# Altium PCB PCB1.PcbDoc (part 1 of 2)
Units mm, origin at the board's own origin, x right, y up, seen from the top; angles counter-clockwise.
Board outline 228.6 x 96.01 mm, 2 copper layers (Top Layer, Bottom Layer); 140 components, 87 nets, 531 pads, 47 vias.
Unrouted connection lines stored in the file: 27.
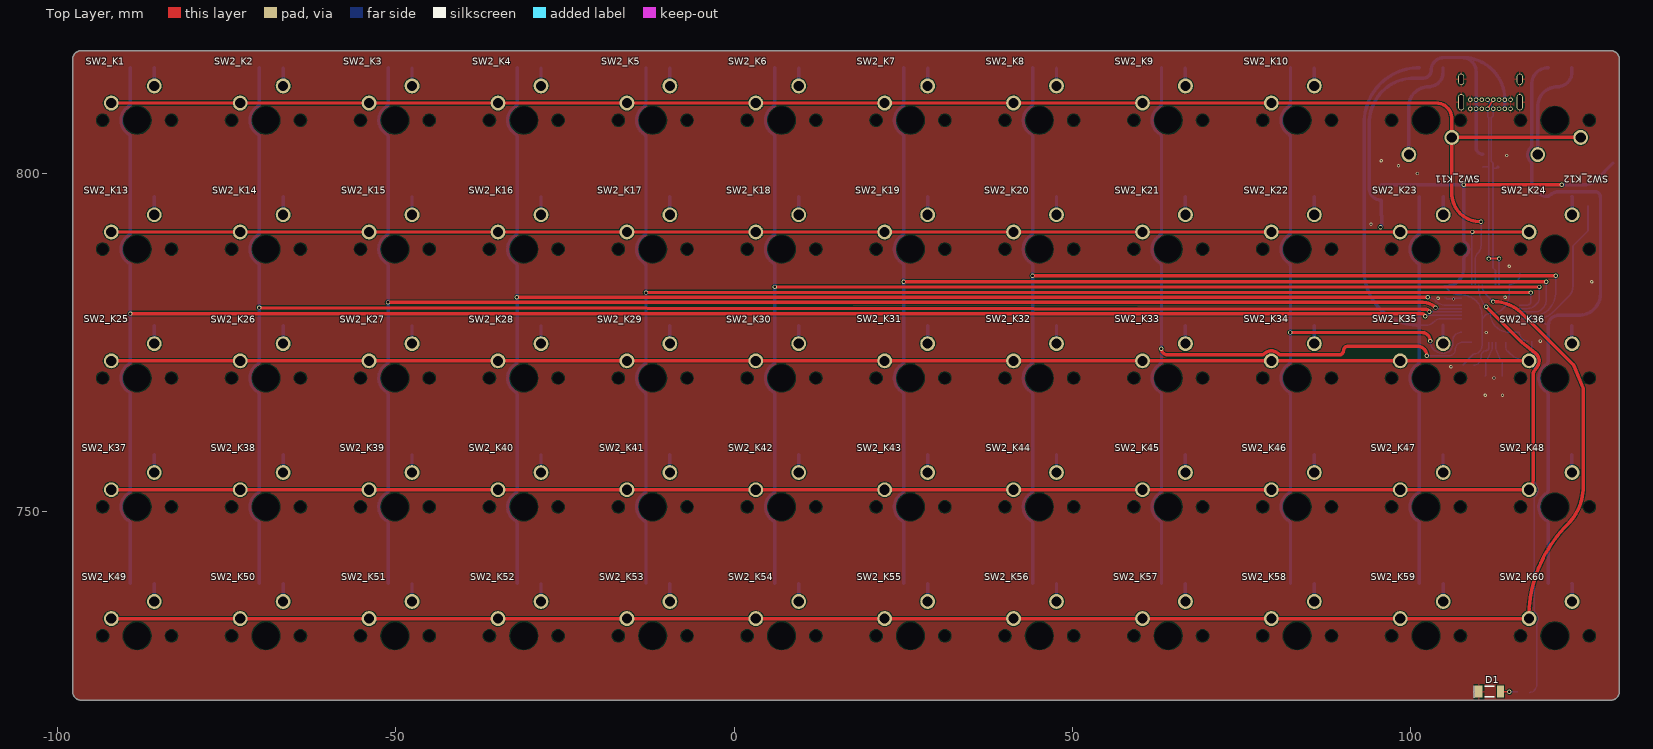
[diagram p0: Top Layer view]
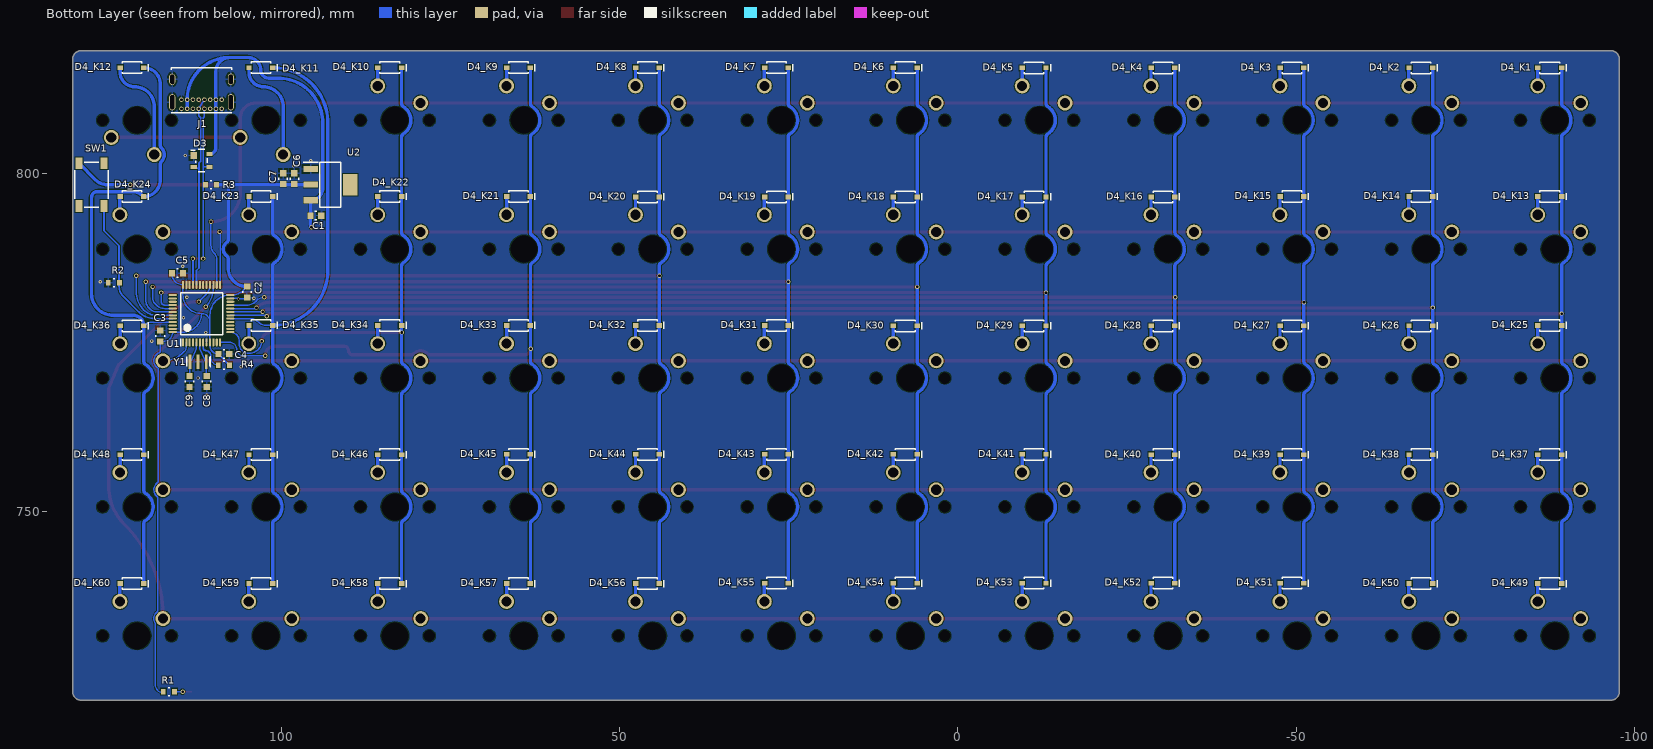
[diagram p1: Bottom Layer view, seen from below]
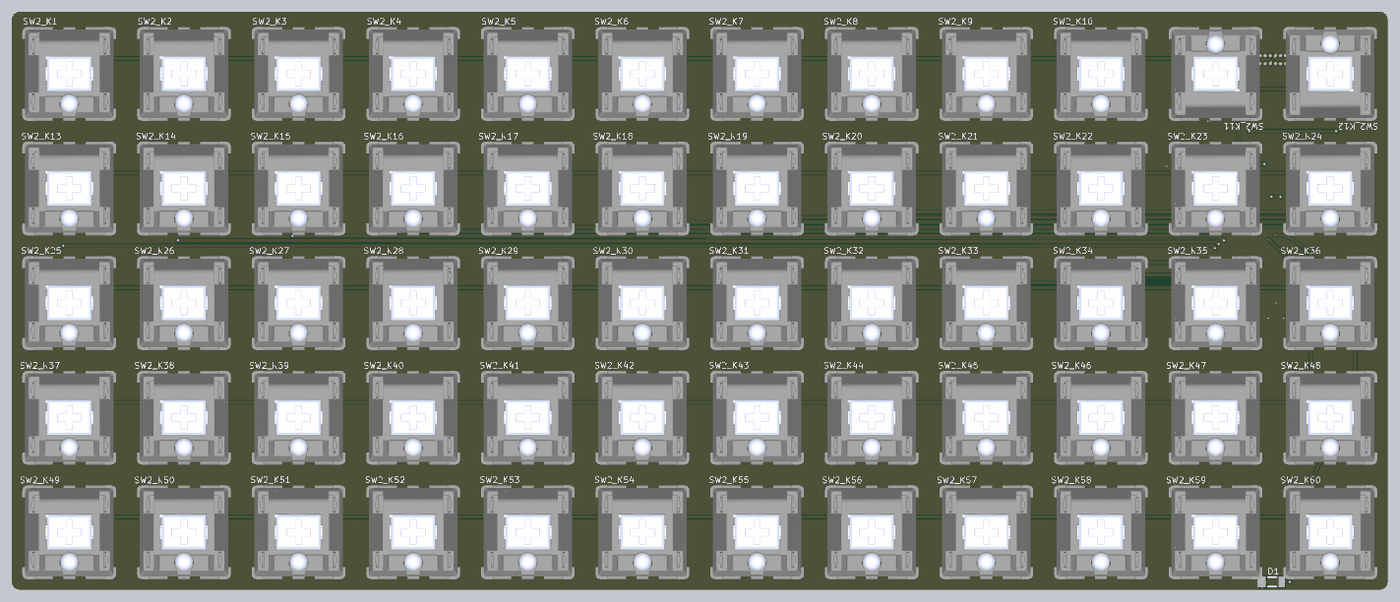
[diagram p3: 3D render of the assembled board from above, using the file's embedded part models]

## Layer stack, top to bottom
Top Solder: solder mask 0.0102, Solder Resist, Dk 3.5
Top Layer: signal copper 0.0356
Dielectric 1: dielectric 0.32, FR-4, Dk 4.8
Bottom Layer: signal copper 0.0356
Bottom Solder: solder mask 0.0102, Solder Resist, Dk 3.5

## Board outline
-96.52,722.122 cw(c-96.52,723.392) -97.79,723.392 -97.79,816.864 cw(c-96.52,816.864) -96.52,818.134 129.54,818.134 cw(c129.54,816.864) 130.81,816.864 130.81,723.392 cw(c129.54,723.392) 129.54,722.122

## Design rules (kind name [scope] priority, off if disabled: settings)
Clearance [All] p1: gap=0.127 ignorepadtopadclearanceinfootprint=FALSE
DiffPairsRouting [All] p1: maxlimit=0.254 minlimit=0.127 mostfreqgap=0.254 toplayer_minwidth=0.127 toplayer_maxwidth=0.381 toplayer_prefwidth=0.254 bottomlayer_minwidth=0.127 bottomlayer_maxwidth=0.381 bottomlayer_prefwidth=0.254 maxuncoupledlength=12.7
HoleSize [All] p1: absolutevalues=TRUE maxlimit=100 minlimit=0.025 maxpercent=80.000 minpercent=20.000
PlaneConnect PlaneConnect_Via [IsVia] p1: planeconnectstyle=Direct reliefexpansion=0.508 reliefentries=4 reliefconductorwidth=0.254 reliefairgap=0.254
PlaneConnect [All] p2: planeconnectstyle=Relief reliefexpansion=0.508 reliefentries=4 reliefconductorwidth=0.254 reliefairgap=0.254
PolygonConnect PolygonConnect_via [IsVia] p1: connectstyle=Direct reliefconductorwidth=0.254 reliefentries=4 polygonreliefangle="90 Angle" airgapwidth=0.254
PolygonConnect [All] p2: connectstyle=Relief reliefconductorwidth=0.254 reliefentries=4 polygonreliefangle="90 Angle" airgapwidth=0.254
RoomDefinition K60 [InComponentClass('K60')] p1: confinementstyle=ConfineIn formatcopy=TRUE lockcomponents=FALSE outline 111.76,722.122 130.81,722.122 130.81,741.172 111.76,741.172
RoomDefinition K59 [InComponentClass('K59')] p2: confinementstyle=ConfineIn formatcopy=TRUE lockcomponents=FALSE outline 92.71,722.122 111.76,722.122 111.76,741.172 92.71,741.172
RoomDefinition K58 [InComponentClass('K58')] p3: confinementstyle=ConfineIn formatcopy=TRUE lockcomponents=FALSE outline 73.66,722.122 92.71,722.122 92.71,741.172 73.66,741.172
RoomDefinition K57 [InComponentClass('K57')] p4: confinementstyle=ConfineIn formatcopy=TRUE lockcomponents=FALSE outline 54.61,722.122 73.66,722.122 73.66,741.172 54.61,741.172
RoomDefinition K56 [InComponentClass('K56')] p5: confinementstyle=ConfineIn formatcopy=TRUE lockcomponents=FALSE outline 35.56,722.122 54.61,722.122 54.61,741.172 35.56,741.172
RoomDefinition K55 [InComponentClass('K55')] p6: confinementstyle=ConfineIn formatcopy=TRUE lockcomponents=FALSE outline 16.51,722.122 35.56,722.122 35.56,741.172 16.51,741.172
RoomDefinition K54 [InComponentClass('K54')] p7: confinementstyle=ConfineIn formatcopy=TRUE lockcomponents=FALSE outline -2.54,722.122 16.51,722.122 16.51,741.172 -2.54,741.172
RoomDefinition K53 [InComponentClass('K53')] p8: confinementstyle=ConfineIn formatcopy=TRUE lockcomponents=FALSE outline -21.59,722.122 -2.54,722.122 -2.54,741.172 -21.59,741.172
RoomDefinition K52 [InComponentClass('K52')] p9: confinementstyle=ConfineIn formatcopy=TRUE lockcomponents=FALSE outline -40.64,722.122 -21.59,722.122 -21.59,741.172 -40.64,741.172
RoomDefinition K51 [InComponentClass('K51')] p10: confinementstyle=ConfineIn formatcopy=TRUE lockcomponents=FALSE outline -59.69,722.122 -40.64,722.122 -40.64,741.172 -59.69,741.172
RoomDefinition K50 [InComponentClass('K50')] p11: confinementstyle=ConfineIn formatcopy=TRUE lockcomponents=FALSE outline -78.74,722.122 -59.69,722.122 -59.69,741.172 -78.74,741.172
RoomDefinition K49 [InComponentClass('K49')] p12: confinementstyle=ConfineIn formatcopy=TRUE lockcomponents=FALSE outline -97.79,722.122 -78.74,722.122 -78.74,741.172 -97.79,741.172
RoomDefinition K48 [InComponentClass('K48')] p13: confinementstyle=ConfineIn formatcopy=TRUE lockcomponents=FALSE outline 111.76,741.172 130.81,741.172 130.81,760.222 111.76,760.222
RoomDefinition K47 [InComponentClass('K47')] p14: confinementstyle=ConfineIn formatcopy=TRUE lockcomponents=FALSE outline 92.71,741.172 111.76,741.172 111.76,760.222 92.71,760.222
RoomDefinition K46 [InComponentClass('K46')] p15: confinementstyle=ConfineIn formatcopy=TRUE lockcomponents=FALSE outline 73.66,741.172 92.71,741.172 92.71,760.222 73.66,760.222
RoomDefinition K45 [InComponentClass('K45')] p16: confinementstyle=ConfineIn formatcopy=TRUE lockcomponents=FALSE outline 54.61,741.172 73.66,741.172 73.66,760.222 54.61,760.222
RoomDefinition K44 [InComponentClass('K44')] p17: confinementstyle=ConfineIn formatcopy=TRUE lockcomponents=FALSE outline 35.56,741.172 54.61,741.172 54.61,760.222 35.56,760.222
RoomDefinition K43 [InComponentClass('K43')] p18: confinementstyle=ConfineIn formatcopy=TRUE lockcomponents=FALSE outline 16.51,741.172 35.56,741.172 35.56,760.222 16.51,760.222
RoomDefinition K42 [InComponentClass('K42')] p19: confinementstyle=ConfineIn formatcopy=TRUE lockcomponents=FALSE outline -2.54,741.172 16.51,741.172 16.51,760.222 -2.54,760.222
RoomDefinition K41 [InComponentClass('K41')] p20: confinementstyle=ConfineIn formatcopy=TRUE lockcomponents=FALSE outline -21.59,741.172 -2.54,741.172 -2.54,760.222 -21.59,760.222
RoomDefinition K40 [InComponentClass('K40')] p21: confinementstyle=ConfineIn formatcopy=TRUE lockcomponents=FALSE outline -40.64,741.172 -21.59,741.172 -21.59,760.222 -40.64,760.222
RoomDefinition K39 [InComponentClass('K39')] p22: confinementstyle=ConfineIn formatcopy=TRUE lockcomponents=FALSE outline -59.69,741.172 -40.64,741.172 -40.64,760.222 -59.69,760.222
RoomDefinition K38 [InComponentClass('K38')] p23: confinementstyle=ConfineIn formatcopy=TRUE lockcomponents=FALSE outline -78.74,741.172 -59.69,741.172 -59.69,760.222 -78.74,760.222
RoomDefinition K37 [InComponentClass('K37')] p24: confinementstyle=ConfineIn formatcopy=TRUE lockcomponents=FALSE outline -97.79,741.172 -78.74,741.172 -78.74,760.222 -97.79,760.222
RoomDefinition K36 [InComponentClass('K36')] p25: confinementstyle=ConfineIn formatcopy=TRUE lockcomponents=FALSE outline 111.76,760.222 130.81,760.222 130.81,779.272 111.76,779.272
RoomDefinition K35 [InComponentClass('K35')] p26: confinementstyle=ConfineIn formatcopy=TRUE lockcomponents=FALSE outline 92.71,760.222 111.76,760.222 111.76,779.272 92.71,779.272
RoomDefinition K34 [InComponentClass('K34')] p27: confinementstyle=ConfineIn formatcopy=TRUE lockcomponents=FALSE outline 73.66,760.222 92.71,760.222 92.71,779.272 73.66,779.272
RoomDefinition K33 [InComponentClass('K33')] p28: confinementstyle=ConfineIn formatcopy=TRUE lockcomponents=FALSE outline 54.61,760.222 73.66,760.222 73.66,779.272 54.61,779.272
RoomDefinition K32 [InComponentClass('K32')] p29: confinementstyle=ConfineIn formatcopy=TRUE lockcomponents=FALSE outline 35.56,760.222 54.61,760.222 54.61,779.272 35.56,779.272
RoomDefinition K31 [InComponentClass('K31')] p30: confinementstyle=ConfineIn formatcopy=TRUE lockcomponents=FALSE outline 16.51,760.222 35.56,760.222 35.56,779.272 16.51,779.272
RoomDefinition K30 [InComponentClass('K30')] p31: confinementstyle=ConfineIn formatcopy=TRUE lockcomponents=FALSE outline -2.54,760.222 16.51,760.222 16.51,779.272 -2.54,779.272
RoomDefinition K29 [InComponentClass('K29')] p32: confinementstyle=ConfineIn formatcopy=TRUE lockcomponents=FALSE outline -21.59,760.222 -2.54,760.222 -2.54,779.272 -21.59,779.272
RoomDefinition K28 [InComponentClass('K28')] p33: confinementstyle=ConfineIn formatcopy=TRUE lockcomponents=FALSE outline -40.64,760.222 -21.59,760.222 -21.59,779.272 -40.64,779.272
RoomDefinition K27 [InComponentClass('K27')] p34: confinementstyle=ConfineIn formatcopy=TRUE lockcomponents=FALSE outline -59.69,760.222 -40.64,760.222 -40.64,779.272 -59.69,779.272
RoomDefinition K26 [InComponentClass('K26')] p35: confinementstyle=ConfineIn formatcopy=TRUE lockcomponents=FALSE outline -78.74,760.222 -59.69,760.222 -59.69,779.272 -78.74,779.272
RoomDefinition K25 [InComponentClass('K25')] p36: confinementstyle=ConfineIn formatcopy=TRUE lockcomponents=FALSE outline -97.79,760.222 -78.74,760.222 -78.74,779.272 -97.79,779.272
RoomDefinition K24 [InComponentClass('K24')] p37: confinementstyle=ConfineIn formatcopy=TRUE lockcomponents=FALSE outline 111.76,779.272 130.81,779.272 130.81,798.322 111.76,798.322
RoomDefinition K23 [InComponentClass('K23')] p38: confinementstyle=ConfineIn formatcopy=TRUE lockcomponents=FALSE outline 92.71,779.272 111.76,779.272 111.76,798.322 92.71,798.322
RoomDefinition K22 [InComponentClass('K22')] p39: confinementstyle=ConfineIn formatcopy=TRUE lockcomponents=FALSE outline 73.66,779.272 92.71,779.272 92.71,798.322 73.66,798.322
RoomDefinition K21 [InComponentClass('K21')] p40: confinementstyle=ConfineIn formatcopy=TRUE lockcomponents=FALSE outline 54.61,779.272 73.66,779.272 73.66,798.322 54.61,798.322
RoomDefinition K20 [InComponentClass('K20')] p41: confinementstyle=ConfineIn formatcopy=TRUE lockcomponents=FALSE outline 35.56,779.272 54.61,779.272 54.61,798.322 35.56,798.322
RoomDefinition K19 [InComponentClass('K19')] p42: confinementstyle=ConfineIn formatcopy=TRUE lockcomponents=FALSE outline 16.51,779.272 35.56,779.272 35.56,798.322 16.51,798.322
RoomDefinition K18 [InComponentClass('K18')] p43: confinementstyle=ConfineIn formatcopy=TRUE lockcomponents=FALSE outline -2.54,779.272 16.51,779.272 16.51,798.322 -2.54,798.322
RoomDefinition K17 [InComponentClass('K17')] p44: confinementstyle=ConfineIn formatcopy=TRUE lockcomponents=FALSE outline -21.59,779.272 -2.54,779.272 -2.54,798.322 -21.59,798.322
RoomDefinition K16 [InComponentClass('K16')] p45: confinementstyle=ConfineIn formatcopy=TRUE lockcomponents=FALSE outline -40.64,779.272 -21.59,779.272 -21.59,798.322 -40.64,798.322
RoomDefinition K15 [InComponentClass('K15')] p46: confinementstyle=ConfineIn formatcopy=TRUE lockcomponents=FALSE outline -59.69,779.272 -40.64,779.272 -40.64,798.322 -59.69,798.322
RoomDefinition K14 [InComponentClass('K14')] p47: confinementstyle=ConfineIn formatcopy=TRUE lockcomponents=FALSE outline -78.74,779.272 -59.69,779.272 -59.69,798.322 -78.74,798.322
RoomDefinition K13 [InComponentClass('K13')] p48: confinementstyle=ConfineIn formatcopy=TRUE lockcomponents=FALSE outline -97.79,779.272 -78.74,779.272 -78.74,798.322 -97.79,798.322
RoomDefinition K12 [InComponentClass('K12')] p49: confinementstyle=ConfineIn formatcopy=TRUE lockcomponents=FALSE outline 111.76,798.322 130.81,798.322 130.81,817.372 111.76,817.372
RoomDefinition K11 [InComponentClass('K11')] p50: confinementstyle=ConfineIn formatcopy=TRUE lockcomponents=FALSE outline 92.71,798.322 111.76,798.322 111.76,817.372 92.71,817.372
RoomDefinition K10 [InComponentClass('K10')] p51: confinementstyle=ConfineIn formatcopy=TRUE lockcomponents=FALSE outline 73.66,798.322 92.71,798.322 92.71,817.372 73.66,817.372
RoomDefinition K9 [InComponentClass('K9')] p52: confinementstyle=ConfineIn formatcopy=TRUE lockcomponents=FALSE outline 54.61,798.322 73.66,798.322 73.66,817.372 54.61,817.372
RoomDefinition K8 [InComponentClass('K8')] p53: confinementstyle=ConfineIn formatcopy=TRUE lockcomponents=FALSE outline 35.56,798.322 54.61,798.322 54.61,817.372 35.56,817.372
RoomDefinition K7 [InComponentClass('K7')] p54: confinementstyle=ConfineIn formatcopy=TRUE lockcomponents=FALSE outline 16.51,798.322 35.56,798.322 35.56,817.372 16.51,817.372
RoomDefinition K6 [InComponentClass('K6')] p55: confinementstyle=ConfineIn formatcopy=TRUE lockcomponents=FALSE outline -2.54,798.322 16.51,798.322 16.51,817.372 -2.54,817.372
RoomDefinition K5 [InComponentClass('K5')] p56: confinementstyle=ConfineIn formatcopy=TRUE lockcomponents=FALSE outline -21.59,798.322 -2.54,798.322 -2.54,817.372 -21.59,817.372
RoomDefinition K4 [InComponentClass('K4')] p57: confinementstyle=ConfineIn formatcopy=TRUE lockcomponents=FALSE outline -40.64,798.322 -21.59,798.322 -21.59,817.372 -40.64,817.372
RoomDefinition K3 [InComponentClass('K3')] p58: confinementstyle=ConfineIn formatcopy=TRUE lockcomponents=FALSE outline -59.69,798.322 -40.64,798.322 -40.64,817.372 -59.69,817.372
RoomDefinition K2 [InComponentClass('K2')] p59: confinementstyle=ConfineIn formatcopy=TRUE lockcomponents=FALSE outline -78.74,798.322 -59.69,798.322 -59.69,817.372 -78.74,817.372
RoomDefinition K1 [InComponentClass('K1')] p60: confinementstyle=ConfineIn formatcopy=TRUE lockcomponents=FALSE outline -97.79,798.322 -78.74,798.322 -78.74,817.372 -97.79,817.372
RoutingVias [All] p1: holewidth=0.711 width=1.27 viastyle="Through Hole" minholewidth=0.711 minwidth=1.27 maxholewidth=0.711 maxwidth=1.27 useviatemplates=TRUE viatemplateguid#1={90B01569-E9FD-4315-B912-3E7FCE20F18E} viatemplatename#1=v64h38
SolderMaskExpansion [All] p1: expansion=0.102 istentingtop=FALSE
Width [All] p1: maxlimit=2.54 minlimit=0.127 preferedwidth=0.254
27 further rules are at their usual default settings.

## Classes and differential pairs
component class K60: D4_K60 SW2_K60
component class K59: D4_K59 SW2_K59
component class K58: D4_K58 SW2_K58
component class K57: D4_K57 SW2_K57
component class K56: D4_K56 SW2_K56
component class K50: D4_K50 SW2_K50
component class K49: D4_K49 SW2_K49
component class K48: D4_K48 SW2_K48
component class K47: D4_K47 SW2_K47
component class K46: D4_K46 SW2_K46
component class K40: D4_K40 SW2_K40
component class K39: D4_K39 SW2_K39
component class K38: D4_K38 SW2_K38
component class K37: D4_K37 SW2_K37
component class K36: D4_K36 SW2_K36
component class K30: D4_K30 SW2_K30
component class K29: D4_K29 SW2_K29
component class K28: D4_K28 SW2_K28
component class K27: D4_K27 SW2_K27
component class K26: D4_K26 SW2_K26
component class K20: D4_K20 SW2_K20
component class K19: D4_K19 SW2_K19
component class K18: D4_K18 SW2_K18
component class K17: D4_K17 SW2_K17
component class K16: D4_K16 SW2_K16
component class K5: D4_K5 SW2_K5
component class K4: D4_K4 SW2_K4
component class K3: D4_K3 SW2_K3
component class K2: D4_K2 SW2_K2
component class K1: D4_K1 SW2_K1
channel class key: K6 K7 K8 K9 K10 K11 K12 K13 K14 K15 K21 K22 K23 K24 K25 K31 K32 K33 K34 K35 K41 K42 K43 K44 K45 K51 K52 K53 K54 K55 K62 K63 K64 K65 K72 K73 K74 K75 K82 K83 K84 K85 K92 K93 K94 K95 K102 K103 K104 K105 K111 K112 K113 K114 K115 K121 K122 K123 K124 K125 K131 K132 K133 K134 K135 K141 K142 K143 K144 K145
component class Sheet1: C1 C2 C3 C4 C5 C6 C7 C8 C9 D1 D3 J1 R1 R2 R3 R4 SW1 U1 U2 Y1
component class K10: D4_K10 SW2_K10
component class K9: D4_K9 SW2_K9
component class K8: D4_K8 SW2_K8
component class K7: D4_K7 SW2_K7
component class K6: D4_K6 SW2_K6
component class K55: D4_K55 SW2_K55
component class K54: D4_K54 SW2_K54
component class K53: D4_K53 SW2_K53
component class K52: D4_K52 SW2_K52
component class K51: D4_K51 SW2_K51
component class K45: D4_K45 SW2_K45
component class K44: D4_K44 SW2_K44
component class K43: D4_K43 SW2_K43
component class K42: D4_K42 SW2_K42
component class K41: D4_K41 SW2_K41
component class K35: D4_K35 SW2_K35
component class K34: D4_K34 SW2_K34
component class K33: D4_K33 SW2_K33
component class K32: D4_K32 SW2_K32
component class K31: D4_K31 SW2_K31
component class K25: D4_K25 SW2_K25
component class K24: D4_K24 SW2_K24
component class K23: D4_K23 SW2_K23
component class K22: D4_K22 SW2_K22
component class K21: D4_K21 SW2_K21
component class K15: D4_K15 SW2_K15
component class K14: D4_K14 SW2_K14
component class K13: D4_K13 SW2_K13
component class K12: D4_K12 SW2_K12
component class K11: D4_K11 SW2_K11
differential pair USBD: +USBD_P -USBD_N

## Components (designator, comment, footprint, x,y, rotation, side; value= is the part's Value field where it differs from the comment)
C1 "Generic CAPC 0603 0.1µF 25V ±10% X7R" CAPC_0603(1.6X0.8)_N 94.869,793.75 r180 bottom value=0.1µF
C2 "Generic CAPC 0603 0.1µF 25V ±10% X7R" CAPC_0603(1.6X0.8)_N 105.029,782.447 r270 bottom value=0.1µF
C3 "Generic CAPC 0603 0.1µF 25V ±10% X7R" CAPC_0603(1.6X0.8)_N 117.856,775.97 r90 bottom value=0.1µF
C4 "Generic CAPC 0603 0.1µF 25V ±10% X7R" CAPC_0603(1.6X0.8)_N 108.458,773.303 r180 bottom value=0.1µF
C5 "Generic CAPC 0603 0.1µF 25V ±10% X7R" CAPC_0603(1.6X0.8)_N 115.316,785.241 r180 bottom value=0.1µF
C6 "Generic CAPC 0603 0.1µF 25V ±10% X7R" CAPC_0603(1.6X0.8)_N 98.044,799.211 r90 bottom value=0.1µF
C7 "Generic CAPC 0603 10µF 6.3V ±20% X5R" CAPC_0603(1.6X0.8)_N 99.695,799.211 r90 bottom value=10µF
C8 "Generic CAPC 0603 22pF 250V ±2% C0G/NP0" CAPC_0603(1.6X0.8)_N 110.998,769.239 r270 bottom value=22pF
C9 "Generic CAPC 0603 22pF 250V ±2% C0G/NP0" CAPC_0603(1.6X0.8)_N 113.538,769.239 r270 bottom value=22pF
D1 "LED 468NM BLUE CLEAR 1206 SMD" LTST-C150TBKT_N 111.633,723.392 r0 top
D3 "TVS DIODE 5.5VWM SOT143B" NXP_SOT143B_N 111.76,801.878 r180 bottom
D4_K1 "DIODE GEN PURP 100V 300MA SOD123" 1N4148W-7-F_N -87.503,815.594 r0 bottom (schematic designator D4)
D4_K2 "DIODE GEN PURP 100V 300MA SOD123" 1N4148W-7-F_N -68.453,815.594 r0 bottom (schematic designator D4)
D4_K3 "DIODE GEN PURP 100V 300MA SOD123" 1N4148W-7-F_N -49.403,815.594 r0 bottom (schematic designator D4)
D4_K4 "DIODE GEN PURP 100V 300MA SOD123" 1N4148W-7-F_N -30.353,815.594 r0 bottom (schematic designator D4)
D4_K5 "DIODE GEN PURP 100V 300MA SOD123" 1N4148W-7-F_N -11.303,815.594 r0 bottom (schematic designator D4)
D4_K6 "DIODE GEN PURP 100V 300MA SOD123" 1N4148W-7-F_N 7.747,815.622 r0 bottom (schematic designator D4)
D4_K7 "DIODE GEN PURP 100V 300MA SOD123" 1N4148W-7-F_N 26.797,815.622 r0 bottom (schematic designator D4)
D4_K8 "DIODE GEN PURP 100V 300MA SOD123" 1N4148W-7-F_N 45.847,815.622 r0 bottom (schematic designator D4)
D4_K9 "DIODE GEN PURP 100V 300MA SOD123" 1N4148W-7-F_N 64.897,815.622 r0 bottom (schematic designator D4)
D4_K10 "DIODE GEN PURP 100V 300MA SOD123" 1N4148W-7-F_N 83.947,815.622 r0 bottom (schematic designator D4)
D4_K11 "DIODE GEN PURP 100V 300MA SOD123" 1N4148W-7-F_N 102.997,815.622 r0 bottom (schematic designator D4)
D4_K12 "DIODE GEN PURP 100V 300MA SOD123" 1N4148W-7-F_N 122.047,815.622 r0 bottom (schematic designator D4)
D4_K13 "DIODE GEN PURP 100V 300MA SOD123" 1N4148W-7-F_N -87.503,796.572 r0 bottom (schematic designator D4)
D4_K14 "DIODE GEN PURP 100V 300MA SOD123" 1N4148W-7-F_N -68.453,796.572 r0 bottom (schematic designator D4)
D4_K15 "DIODE GEN PURP 100V 300MA SOD123" 1N4148W-7-F_N -49.403,796.572 r0 bottom (schematic designator D4)
D4_K16 "DIODE GEN PURP 100V 300MA SOD123" 1N4148W-7-F_N -30.353,796.516 r0 bottom (schematic designator D4)
D4_K17 "DIODE GEN PURP 100V 300MA SOD123" 1N4148W-7-F_N -11.303,796.516 r0 bottom (schematic designator D4)
D4_K18 "DIODE GEN PURP 100V 300MA SOD123" 1N4148W-7-F_N 7.747,796.516 r0 bottom (schematic designator D4)
D4_K19 "DIODE GEN PURP 100V 300MA SOD123" 1N4148W-7-F_N 26.797,796.516 r0 bottom (schematic designator D4)
D4_K20 "DIODE GEN PURP 100V 300MA SOD123" 1N4148W-7-F_N 45.847,796.516 r0 bottom (schematic designator D4)
D4_K21 "DIODE GEN PURP 100V 300MA SOD123" 1N4148W-7-F_N 64.897,796.572 r0 bottom (schematic designator D4)
D4_K22 "DIODE GEN PURP 100V 300MA SOD123" 1N4148W-7-F_N 83.947,796.572 r0 bottom (schematic designator D4)
D4_K23 "DIODE GEN PURP 100V 300MA SOD123" 1N4148W-7-F_N 102.997,796.572 r0 bottom (schematic designator D4)
D4_K24 "DIODE GEN PURP 100V 300MA SOD123" 1N4148W-7-F_N 122.047,796.572 r0 bottom (schematic designator D4)
D4_K25 "DIODE GEN PURP 100V 300MA SOD123" 1N4148W-7-F_N -87.503,777.522 r0 bottom (schematic designator D4)
D4_K26 "DIODE GEN PURP 100V 300MA SOD123" 1N4148W-7-F_N -68.453,777.466 r0 bottom (schematic designator D4)
D4_K27 "DIODE GEN PURP 100V 300MA SOD123" 1N4148W-7-F_N -49.403,777.466 r0 bottom (schematic designator D4)
D4_K28 "DIODE GEN PURP 100V 300MA SOD123" 1N4148W-7-F_N -30.353,777.466 r0 bottom (schematic designator D4)
D4_K29 "DIODE GEN PURP 100V 300MA SOD123" 1N4148W-7-F_N -11.303,777.466 r0 bottom (schematic designator D4)
D4_K30 "DIODE GEN PURP 100V 300MA SOD123" 1N4148W-7-F_N 7.747,777.466 r0 bottom (schematic designator D4)
D4_K31 "DIODE GEN PURP 100V 300MA SOD123" 1N4148W-7-F_N 26.797,777.522 r0 bottom (schematic designator D4)
D4_K32 "DIODE GEN PURP 100V 300MA SOD123" 1N4148W-7-F_N 45.847,777.522 r0 bottom (schematic designator D4)
D4_K33 "DIODE GEN PURP 100V 300MA SOD123" 1N4148W-7-F_N 64.897,777.522 r0 bottom (schematic designator D4)
D4_K34 "DIODE GEN PURP 100V 300MA SOD123" 1N4148W-7-F_N 83.947,777.522 r0 bottom (schematic designator D4)
D4_K35 "DIODE GEN PURP 100V 300MA SOD123" 1N4148W-7-F_N 102.997,777.522 r0 bottom (schematic designator D4)
D4_K36 "DIODE GEN PURP 100V 300MA SOD123" 1N4148W-7-F_N 122.047,777.466 r0 bottom (schematic designator D4)
D4_K37 "DIODE GEN PURP 100V 300MA SOD123" 1N4148W-7-F_N -87.503,758.416 r0 bottom (schematic designator D4)
D4_K38 "DIODE GEN PURP 100V 300MA SOD123" 1N4148W-7-F_N -68.453,758.416 r0 bottom (schematic designator D4)
D4_K39 "DIODE GEN PURP 100V 300MA SOD123" 1N4148W-7-F_N -49.403,758.416 r0 bottom (schematic designator D4)
D4_K40 "DIODE GEN PURP 100V 300MA SOD123" 1N4148W-7-F_N -30.353,758.416 r0 bottom (schematic designator D4)
D4_K41 "DIODE GEN PURP 100V 300MA SOD123" 1N4148W-7-F_N -11.303,758.472 r0 bottom (schematic designator D4)
D4_K42 "DIODE GEN PURP 100V 300MA SOD123" 1N4148W-7-F_N 7.747,758.472 r0 bottom (schematic designator D4)
D4_K43 "DIODE GEN PURP 100V 300MA SOD123" 1N4148W-7-F_N 26.797,758.472 r0 bottom (schematic designator D4)
D4_K44 "DIODE GEN PURP 100V 300MA SOD123" 1N4148W-7-F_N 45.847,758.472 r0 bottom (schematic designator D4)
D4_K45 "DIODE GEN PURP 100V 300MA SOD123" 1N4148W-7-F_N 64.897,758.472 r0 bottom (schematic designator D4)
D4_K46 "DIODE GEN PURP 100V 300MA SOD123" 1N4148W-7-F_N 83.947,758.416 r0 bottom (schematic designator D4)
D4_K47 "DIODE GEN PURP 100V 300MA SOD123" 1N4148W-7-F_N 102.997,758.416 r0 bottom (schematic designator D4)
D4_K48 "DIODE GEN PURP 100V 300MA SOD123" 1N4148W-7-F_N 122.047,758.416 r0 bottom (schematic designator D4)
D4_K49 "DIODE GEN PURP 100V 300MA SOD123" 1N4148W-7-F_N -87.503,739.366 r0 bottom (schematic designator D4)
D4_K50 "DIODE GEN PURP 100V 300MA SOD123" 1N4148W-7-F_N -68.453,739.366 r0 bottom (schematic designator D4)
D4_K51 "DIODE GEN PURP 100V 300MA SOD123" 1N4148W-7-F_N -49.403,739.422 r0 bottom (schematic designator D4)
D4_K52 "DIODE GEN PURP 100V 300MA SOD123" 1N4148W-7-F_N -30.353,739.422 r0 bottom (schematic designator D4)
D4_K53 "DIODE GEN PURP 100V 300MA SOD123" 1N4148W-7-F_N -11.303,739.422 r0 bottom (schematic designator D4)
D4_K54 "DIODE GEN PURP 100V 300MA SOD123" 1N4148W-7-F_N 7.747,739.422 r0 bottom (schematic designator D4)
D4_K55 "DIODE GEN PURP 100V 300MA SOD123" 1N4148W-7-F_N 26.797,739.422 r0 bottom (schematic designator D4)
D4_K56 "DIODE GEN PURP 100V 300MA SOD123" 1N4148W-7-F_N 45.847,739.366 r0 bottom (schematic designator D4)
D4_K57 "DIODE GEN PURP 100V 300MA SOD123" 1N4148W-7-F_N 64.897,739.366 r0 bottom (schematic designator D4)
D4_K58 "DIODE GEN PURP 100V 300MA SOD123" 1N4148W-7-F_N 83.947,739.366 r0 bottom (schematic designator D4)
D4_K59 "DIODE GEN PURP 100V 300MA SOD123" 1N4148W-7-F_N 102.997,739.366 r0 bottom (schematic designator D4)
D4_K60 "DIODE GEN PURP 100V 300MA SOD123" 1N4148W-7-F_N 122.047,739.366 r0 bottom (schematic designator D4)
J1 "USB4085-GF-A" GCT_USB4085-GF-A_MN 111.76,813.562 r0 bottom
R1 "Generic RES 0603 470 0.1W 5%" RESC_0603(1.6X0.8)_N 116.586,723.392 r0 bottom value=470
R2 "Generic RES 0603 10K 0.1W 5%" RESC_0603(1.6X0.8)_N 124.714,783.844 r180 bottom value=10K
R3 "Generic RES 0603 1.5K 0.1W 5%" RESC_0603(1.6X0.8)_N 110.363,798.322 r180 bottom value=1.5K
R4 "Generic RES 0603 10K 0.1W 5%" RESC_0603(1.6X0.8)_N 108.458,771.652 r180 bottom value=10K
SW1 "SWITCH TACTILE SPST-NO 0.05A 12V" TL3342F160QG-TR 128.016,798.322 r270 bottom
SW2_K1 "MX1A-E1NW" CHRY_MXXX-XXXW_No_LED_MA -88.265,807.847 r0 top (schematic designator SW2)
SW2_K2 "MX1A-E1NW" CHRY_MXXX-XXXW_No_LED_MA -69.215,807.847 r0 top (schematic designator SW2)
SW2_K3 "MX1A-E1NW" CHRY_MXXX-XXXW_No_LED_MA -50.165,807.847 r0 top (schematic designator SW2)
SW2_K4 "MX1A-E1NW" CHRY_MXXX-XXXW_No_LED_MA -31.115,807.847 r0 top (schematic designator SW2)
SW2_K5 "MX1A-E1NW" CHRY_MXXX-XXXW_No_LED_MA -12.065,807.847 r0 top (schematic designator SW2)
SW2_K6 "MX1A-E1NW" CHRY_MXXX-XXXW_No_LED_MA 6.985,807.847 r0 top (schematic designator SW2)
SW2_K7 "MX1A-E1NW" CHRY_MXXX-XXXW_No_LED_MA 26.035,807.847 r0 top (schematic designator SW2)
SW2_K8 "MX1A-E1NW" CHRY_MXXX-XXXW_No_LED_MA 45.085,807.847 r0 top (schematic designator SW2)
SW2_K9 "MX1A-E1NW" CHRY_MXXX-XXXW_No_LED_MA 64.135,807.847 r0 top (schematic designator SW2)
SW2_K10 "MX1A-E1NW" CHRY_MXXX-XXXW_No_LED_MA 83.185,807.847 r0 top (schematic designator SW2)
SW2_K11 "MX1A-E1NW" CHRY_MXXX-XXXW_No_LED_MA 102.235,807.847 r180 top (schematic designator SW2)
SW2_K12 "MX1A-E1NW" CHRY_MXXX-XXXW_No_LED_MA 121.285,807.847 r180 top (schematic designator SW2)
SW2_K13 "MX1A-E1NW" CHRY_MXXX-XXXW_No_LED_MA -88.265,788.797 r0 top (schematic designator SW2)
SW2_K14 "MX1A-E1NW" CHRY_MXXX-XXXW_No_LED_MA -69.215,788.797 r0 top (schematic designator SW2)
SW2_K15 "MX1A-E1NW" CHRY_MXXX-XXXW_No_LED_MA -50.165,788.797 r0 top (schematic designator SW2)
SW2_K16 "MX1A-E1NW" CHRY_MXXX-XXXW_No_LED_MA -31.115,788.797 r0 top (schematic designator SW2)
SW2_K17 "MX1A-E1NW" CHRY_MXXX-XXXW_No_LED_MA -12.065,788.797 r0 top (schematic designator SW2)
SW2_K18 "MX1A-E1NW" CHRY_MXXX-XXXW_No_LED_MA 6.985,788.797 r0 top (schematic designator SW2)
SW2_K19 "MX1A-E1NW" CHRY_MXXX-XXXW_No_LED_MA 26.035,788.797 r0 top (schematic designator SW2)
SW2_K20 "MX1A-E1NW" CHRY_MXXX-XXXW_No_LED_MA 45.085,788.797 r0 top (schematic designator SW2)
SW2_K21 "MX1A-E1NW" CHRY_MXXX-XXXW_No_LED_MA 64.135,788.797 r0 top (schematic designator SW2)
SW2_K22 "MX1A-E1NW" CHRY_MXXX-XXXW_No_LED_MA 83.185,788.797 r0 top (schematic designator SW2)
SW2_K23 "MX1A-E1NW" CHRY_MXXX-XXXW_No_LED_MA 102.235,788.797 r0 top (schematic designator SW2)
SW2_K24 "MX1A-E1NW" CHRY_MXXX-XXXW_No_LED_MA 121.285,788.797 r0 top (schematic designator SW2)
SW2_K25 "MX1A-E1NW" CHRY_MXXX-XXXW_No_LED_MA -88.265,769.747 r0 top (schematic designator SW2)
SW2_K26 "MX1A-E1NW" CHRY_MXXX-XXXW_No_LED_MA -69.215,769.747 r0 top (schematic designator SW2)
SW2_K27 "MX1A-E1NW" CHRY_MXXX-XXXW_No_LED_MA -50.165,769.747 r0 top (schematic designator SW2)
SW2_K28 "MX1A-E1NW" CHRY_MXXX-XXXW_No_LED_MA -31.115,769.747 r0 top (schematic designator SW2)
SW2_K29 "MX1A-E1NW" CHRY_MXXX-XXXW_No_LED_MA -12.065,769.747 r0 top (schematic designator SW2)
SW2_K30 "MX1A-E1NW" CHRY_MXXX-XXXW_No_LED_MA 6.985,769.747 r0 top (schematic designator SW2)
SW2_K31 "MX1A-E1NW" CHRY_MXXX-XXXW_No_LED_MA 26.035,769.747 r0 top (schematic designator SW2)
SW2_K32 "MX1A-E1NW" CHRY_MXXX-XXXW_No_LED_MA 45.085,769.747 r0 top (schematic designator SW2)
SW2_K33 "MX1A-E1NW" CHRY_MXXX-XXXW_No_LED_MA 64.135,769.747 r0 top (schematic designator SW2)
SW2_K34 "MX1A-E1NW" CHRY_MXXX-XXXW_No_LED_MA 83.185,769.747 r0 top (schematic designator SW2)
SW2_K35 "MX1A-E1NW" CHRY_MXXX-XXXW_No_LED_MA 102.235,769.747 r0 top (schematic designator SW2)
SW2_K36 "MX1A-E1NW" CHRY_MXXX-XXXW_No_LED_MA 121.285,769.747 r0 top (schematic designator SW2)
SW2_K37 "MX1A-E1NW" CHRY_MXXX-XXXW_No_LED_MA -88.265,750.697 r0 top (schematic designator SW2)
SW2_K38 "MX1A-E1NW" CHRY_MXXX-XXXW_No_LED_MA -69.215,750.697 r0 top (schematic designator SW2)
SW2_K39 "MX1A-E1NW" CHRY_MXXX-XXXW_No_LED_MA -50.165,750.697 r0 top (schematic designator SW2)
SW2_K40 "MX1A-E1NW" CHRY_MXXX-XXXW_No_LED_MA -31.115,750.697 r0 top (schematic designator SW2)
SW2_K41 "MX1A-E1NW" CHRY_MXXX-XXXW_No_LED_MA -12.065,750.697 r0 top (schematic designator SW2)
SW2_K42 "MX1A-E1NW" CHRY_MXXX-XXXW_No_LED_MA 6.985,750.697 r0 top (schematic designator SW2)
SW2_K43 "MX1A-E1NW" CHRY_MXXX-XXXW_No_LED_MA 26.035,750.697 r0 top (schematic designator SW2)
SW2_K44 "MX1A-E1NW" CHRY_MXXX-XXXW_No_LED_MA 45.085,750.697 r0 top (schematic designator SW2)
SW2_K45 "MX1A-E1NW" CHRY_MXXX-XXXW_No_LED_MA 64.135,750.697 r0 top (schematic designator SW2)
SW2_K46 "MX1A-E1NW" CHRY_MXXX-XXXW_No_LED_MA 83.185,750.697 r0 top (schematic designator SW2)
SW2_K47 "MX1A-E1NW" CHRY_MXXX-XXXW_No_LED_MA 102.235,750.697 r0 top (schematic designator SW2)
SW2_K48 "MX1A-E1NW" CHRY_MXXX-XXXW_No_LED_MA 121.285,750.697 r0 top (schematic designator SW2)
SW2_K49 "MX1A-E1NW" CHRY_MXXX-XXXW_No_LED_MA -88.265,731.647 r0 top (schematic designator SW2)
SW2_K50 "MX1A-E1NW" CHRY_MXXX-XXXW_No_LED_MA -69.215,731.647 r0 top (schematic designator SW2)
SW2_K51 "MX1A-E1NW" CHRY_MXXX-XXXW_No_LED_MA -50.165,731.647 r0 top (schematic designator SW2)
SW2_K52 "MX1A-E1NW" CHRY_MXXX-XXXW_No_LED_MA -31.115,731.647 r0 top (schematic designator SW2)
SW2_K53 "MX1A-E1NW" CHRY_MXXX-XXXW_No_LED_MA -12.065,731.647 r0 top (schematic designator SW2)
SW2_K54 "MX1A-E1NW" CHRY_MXXX-XXXW_No_LED_MA 6.985,731.647 r0 top (schematic designator SW2)
SW2_K55 "MX1A-E1NW" CHRY_MXXX-XXXW_No_LED_MA 26.035,731.647 r0 top (schematic designator SW2)
SW2_K56 "MX1A-E1NW" CHRY_MXXX-XXXW_No_LED_MA 45.085,731.647 r0 top (schematic designator SW2)
SW2_K57 "MX1A-E1NW" CHRY_MXXX-XXXW_No_LED_MA 64.135,731.647 r0 top (schematic designator SW2)
SW2_K58 "MX1A-E1NW" CHRY_MXXX-XXXW_No_LED_MA 83.185,731.647 r0 top (schematic designator SW2)
SW2_K59 "MX1A-E1NW" CHRY_MXXX-XXXW_No_LED_MA 102.235,731.647 r0 top (schematic designator SW2)
SW2_K60 "MX1A-E1NW" CHRY_MXXX-XXXW_No_LED_MA 121.285,731.647 r0 top (schematic designator SW2)
U1 "32BIT, CORTEX-M4, 72MHZ, LQFP-48" ST_LQFP-48-7x7x1.4_MN 111.76,779.272 r90 bottom
U2 "IC REG LDO 3.3V 0.8A SOT223" TI_DCY-R-PDSO-G4_N 92.71,798.322 r180 bottom
Y1 "CER RESONATOR 8.00MHZ SMD" CSTCE8M00G55-R0 111.068,772.16 r180 bottom

## Footprints (in the part's own frame and the unit in brackets; to place one, negate y for a bottom-side part, rotate by r counter-clockwise, add the part's x,y. Pads: shape width x height; smd on the part's side, far side on the other; paste and mask are expansions set on the pad)
1N4148W-7-F_N [mm] "SODFL, 2-Leads, Body 1.55x3.70mm, IPC Medium Density, Dimensions obtained from component datasheet"
  rect 0.8x0.7 smd: 1(-1.75,0) 2(1.75,0)
  silkscreen extent -2.41,-0.85 1.45,0.85, body extent -1.42,-0.85 1.43,0.85, height 1.45
CAPC_0603(1.6X0.8)_N [mm] "Chip Capacitor, 0603 (1.6X0.8mm), N density, Chip dimensions based on Vishay VJ Commercial series"
  rect 0.9x0.95 smd: 1(-0.8,0) 2(0.8,0)
  silkscreen extent -0.13,-0.64 0.13,0.64, body extent -0.8,-0.4 0.8,0.4, height 0.92
CHRY_MXXX-XXXW_No_LED_MA [mil]
  round 0 hole 67 unplated: 0(-200,0) 0(200,0)
  round 0 hole 157 unplated: 0(0,0)
  round 86.61 hole 59: 1(-150,100) 2(100,200)
  body extent -307,-307 307,307, height 611
CSTCE8M00G55-R0 [mm] "Footprint from manufacturer's recommendation"
  rect 0.4x2.1 smd: 1(0,0) 2(-1.2,0) 3(-2.4,0)
  silkscreen extent -2.9,-0.8 0.7,0.8, body extent -2.87,-0.72 0.47,0.72, height 0.8
GCT_USB4085-GF-A_MN [mm]
  round 0.65 hole 0.4: 1(-2.975,4.025) 2(-2.125,4.025) 3(-1.275,4.025) 4(-0.425,4.025) 5(0.425,4.025) 6(1.275,4.025) 7(2.125,4.025) 8(2.975,4.025) 9(-2.975,2.675) 10(-2.125,2.675) 11(-1.275,2.675) 12(-0.425,2.675) 13(0.425,2.675) 14(1.275,2.675) 15(2.125,2.675) 16(2.975,2.675)
  oval 0.9x2.4 hole 0.6 slot 2.1 at 90 deg: 17(-4.325,3.045) 18(4.325,3.045)
  oval 0.9x1.7 hole 0.6 slot 1.4 at 90 deg: 19(-4.325,-0.335) 20(4.325,-0.335)
  silkscreen extent -4.47,-2.07 4.47,4.58, body extent -4.51,-4.56 4.52,4.61, height 3.46
LTST-C150TBKT_N [mm] "Chip Diode, 2-Leads, Body 3.20x1.60mm, IPC Medium Density"
  rect 1.05x1.75 smd: 1(-1.6,0) 2(1.6,0)
  silkscreen extent -2.3,-0.9 0.7,0.9, body extent -1.55,-0.85 1.55,0.85, height 1.1
NXP_SOT143B_N [mm] "SOT143, 4-Leads, Body 2.90x2.30mm, Pitch 1.90mm, IPC Medium Density, body dimensions from package drawing"
  rect 0.9x1 smd: 1(-1.15,0.75)
  rect 0.9x0.6 smd: 2(-1.15,-0.95) 3(1.15,-0.95) 4(1.15,0.95)
  silkscreen extent -1.6,-1.65 0.85,1.65, body extent -1.15,-1.5 1.15,1.5, height 1.1
RESC_0603(1.6X0.8)_N [mm] "Chip Resistor, 0603 (1.6X0.8mm), N density, Chip dimensions based on Panasonic ERJ series"
  rect 0.7x0.85 smd: 1(-0.825,0) 2(0.825,0)
  silkscreen extent -0.1,-0.6 0.1,0.6, body extent -0.8,-0.4 0.8,0.4, height 0.55
ST_LQFP-48-7x7x1.4_MN [mm] "TSQFP, 48-Leads, Body 7.00x7.00mm, Pitch 0.50mm, IPC Medium Density, body and pad dimensions from datasheet"
  oval 1.2x0.3 smd: 1(-4.25,2.75) 2(-4.25,2.25) 3(-4.25,1.75) 4(-4.25,1.25) 5(-4.25,0.75) 6(-4.25,0.25) 7(-4.25,-0.25) 8(-4.25,-0.75) 9(-4.25,-1.25) 10(-4.25,-1.75) 11(-4.25,-2.25) 12(-4.25,-2.75) 25(4.25,-2.75) 26(4.25,-2.25) 27(4.25,-1.75) 28(4.25,-1.25) 29(4.25,-0.75) 30(4.25,-0.25) 31(4.25,0.25) 32(4.25,0.75) 33(4.25,1.25) 34(4.25,1.75) 35(4.25,2.25) 36(4.25,2.75)
  oval 0.3x1.2 smd: 13(-2.75,-4.25) 14(-2.25,-4.25) 15(-1.75,-4.25) 16(-1.25,-4.25) 17(-0.75,-4.25) 18(-0.25,-4.25) 19(0.25,-4.25) 20(0.75,-4.25) 21(1.25,-4.25) 22(1.75,-4.25) 23(2.25,-4.25) 24(2.75,-4.25) 37(2.75,4.25) 38(2.25,4.25) 39(1.75,4.25) 40(1.25,4.25) 41(0.75,4.25) 42(0.25,4.25) 43(-0.25,4.25) 44(-0.75,4.25) 45(-1.25,4.25) 46(-1.75,4.25) 47(-2.25,4.25) 48(-2.75,4.25)
  silkscreen extent -4.8,-3.1 3.1,3.1, body extent -4.5,-4.5 4.5,4.5, height 1.6
TI_DCY-R-PDSO-G4_N [mm] "SOT223, 4-Leads, Body 6.50x7.00mm (avg), Pitch 2.30mm, IPC Medium Density, body dimensions from datasheet"
  rect 2.15x0.9 smd: 1(-2.925,2.3) 2(-2.925,0) 3(-2.925,-2.3)
  rect 2.15x3.2 smd: 4(2.925,0)
  silkscreen extent -4,-3.35 1.55,3.35, body extent -1.85,-3.35 1.85,3.35, height 1.8
TL3342F160QG-TR [mm]
  rect 1.7x1 smd: 1(-3.15,-1.85) 2(3.15,-1.85) 3(-3.15,1.85) 4(3.15,1.85)
  silkscreen extent -3.3,-2.5 3.3,2.5, body extent -3.3,-2.5 3.3,2.5, height 1.46